# Allegro board 038RT-9068CJK8E-A100_0921.brd (continued)
## Routing (per net, layer and track width the routed paths; a pad name or vN(x,y) marks a point on that pad's centre or on a via; arc(x,y) is an arc through that point) (continued)
SH31_P6_HSO-: length 204
  TOP w0.14: v1(450.42,247.79) 450.34,247.86 arc(450.28,247.91) 450.2,247.92 449.45,247.92 arc(449.33,247.87) 449.28,247.75 449.28,246.05 arc(449.3,245.94) 449.37,245.84 450.88,244.33 arc(450.98,244.26) 451.1,244.24 453.98,244.24 arc(454.1,244.26) 454.2,244.33 457.2,247.32 arc(457.26,247.42) 457.29,247.54 457.29,391.45 arc(457.43,392.18) 457.85,392.81 466.63,401.58 arc(466.85,401.92) 466.93,402.31 466.93,403.36 arc(466.91,403.48) 466.84,403.57 466.82,403.59 arc(466.74,403.72) 466.71,403.86 arc(466.74,404.01) 466.82,404.13 466.84,404.15 arc(466.91,404.25) 466.93,404.36 466.93,404.48 arc(466.91,404.6) 466.84,404.69 466.82,404.71 arc(466.74,404.84) 466.71,404.98 466.71,404.98 arc(466.74,405.13) 466.82,405.25 466.84,405.27 arc(466.91,405.37) 466.93,405.48 466.93,405.57 arc(466.9,405.71) 466.82,405.83 466.8,405.85 arc(466.72,405.98) 466.69,406.12 arc(466.72,406.27) 466.8,406.39 466.82,406.41 arc(466.9,406.53) 466.93,406.67 466.93,406.7 arc(466.9,406.83) 466.82,406.95 466.8,406.97 arc(466.72,407.1) 466.69,407.24 arc(466.72,407.39) 466.8,407.51 466.82,407.53 arc(466.9,407.65) 466.93,407.79 466.93,407.82 arc(466.9,407.95) 466.82,408.07 466.8,408.09 arc(466.72,408.22) 466.69,408.36 arc(466.72,408.51) 466.8,408.63 466.82,408.65 arc(466.9,408.77) 466.93,408.91 466.93,408.94 arc(466.9,409.07) 466.82,409.19 466.8,409.21 arc(466.72,409.33) 466.69,409.47 466.69,409.49 arc(466.72,409.63) 466.8,409.75 466.82,409.77 arc(466.9,409.89) 466.93,410.03 466.93,410.05 arc(466.9,410.19) 466.82,410.31 466.8,410.33 arc(466.72,410.45) 466.69,410.59 466.69,410.61 arc(466.72,410.75) 466.8,410.87 466.82,410.89 arc(466.9,411.01) 466.93,411.15 466.93,411.17 arc(466.9,411.31) 466.82,411.43 466.8,411.45 arc(466.72,411.57) 466.69,411.71 466.69,411.73 arc(466.72,411.87) 466.8,411.99 466.82,412.01 arc(466.9,412.13) 466.93,412.27 466.93,412.29 arc(466.9,412.43) 466.82,412.55 466.8,412.57 arc(466.72,412.69) 466.69,412.83 466.69,412.85 arc(466.72,412.99) 466.8,413.11 466.82,413.13 arc(466.9,413.25) 466.93,413.39 466.93,413.41 arc(466.9,413.55) 466.82,413.67 466.8,413.69 arc(466.72,413.81) 466.69,413.95 466.69,413.97 arc(466.72,414.11) 466.8,414.23 466.82,414.25 arc(466.9,414.37) 466.93,414.51 466.93,414.53 arc(466.9,414.67) 466.82,414.79 466.8,414.81 arc(466.72,414.93) 466.69,415.07 466.69,415.09 arc(466.72,415.23) 466.8,415.35 466.82,415.37 arc(466.9,415.49) 466.93,415.63 466.93,415.65 arc(466.9,415.79) 466.82,415.91 466.8,415.93 arc(466.72,416.05) 466.69,416.19 466.69,416.21 arc(466.72,416.35) 466.8,416.47 466.82,416.49 arc(466.9,416.61) 466.93,416.74 466.93,416.77 arc(466.9,416.91) 466.82,417.03 466.8,417.05 arc(466.72,417.17) 466.69,417.3 466.69,417.33 arc(466.72,417.47) 466.8,417.59 466.82,417.61 arc(466.9,417.73) 466.93,417.86 466.93,417.89 arc(466.9,418.03) 466.82,418.15 466.8,418.17 arc(466.72,418.29) 466.69,418.42 466.69,418.45 arc(466.72,418.59) 466.8,418.71 466.82,418.73 arc(466.9,418.85) 466.93,418.99 466.93,424.09 arc(466.98,424.36) 467.13,424.59 468.08,425.54 arc(468.15,425.64) 468.17,425.76 468.17,427.19 arc(468.16,427.27) 468.11,427.33 468.09,427.35 arc(468.03,427.4) 467.95,427.41 UNK3CH167.1
  BOTTOM w0.14: UNK3K213.36 447.51,250.17 448.41,250.17 449.22,249.37 449.22,248.49 449.78,247.92 450.28,247.92 v1(450.42,247.79)
SH31_P6_ISOLATEB: length 71.6
  L11_SIGNAL w0.105: UNK3K220.2 427.95,420.98 427.95,417.8 429.2,416.56 466.38,416.56 467.32,417.5 467.32,424.61 470.42,427.71 477.23,427.71 v2(477.82,428.29)
  BOTTOM w0.115: UNK3K220.2 427.85,423.65 427.85,426.76 426.68,427.93 UNK3RS104.2
SH31_P6_LANWAKEB: length 15.5
  L11_SIGNAL w0.105: UNK3K212.2 480.71,430.23 477.16,430.23 v2(476.55,430.83)
SH31_P6_PCIE_RESETB: length 71.3
  TOP w0.115: UNK3HOST1.14 469.16,437.84 469.88,437.12 475.72,437.12 v2(480.74,432.1)
  L11_SIGNAL w0.102: 469.94,431.44 462.01,431.44 461.02,430.45
  L11_SIGNAL w0.105: 461.02,430.45 460.46,429.89 455.59,429.89 454.8,429.11 439.52,429.11 437.99,427.57 437.99,422.47 436.84,421.32 433.82,421.32 UNK3K221.2 ; v2(480.74,432.1) 480,432.84 477.96,432.84 476.57,431.44 469.94,431.44
SH31_P6_REFCLK_100M+: length 206.7
  TOP w0.105: UNK3HOST1.61 464.44,430.65 463.19,429.41 463.19,427.5 v2(463.05,427.36)
  L03_SIGNAL w0.136: v1(472.63,245.79) 472.57,245.85 arc(472.52,245.88) 472.47,245.89 470.56,245.89 arc(470.47,245.87) 470.39,245.82 470.22,245.65 arc(470,245.5) 469.74,245.45 463.72,245.45 arc(462.74,245.64) 461.92,246.19 457.93,250.19 arc(457.42,250.95) 457.24,251.85 457.24,406.14 arc(457.41,406.98) 457.89,407.7 460.86,410.68 arc(461.1,411.03) 461.19,411.46 461.19,419.95 arc(461.31,420.56) 461.65,421.07 462.53,421.94 arc(463.02,422.68) 463.19,423.54 463.19,427.01 arc(463.15,427.2) v2(463.05,427.36)
  BOTTOM w0.105: v1(472.63,245.79) 472.53,245.88 471.36,245.88 470.38,246.87 470.38,247.25 470.38,247.25 470.38,248.95 470.2,249.13 469.69,249.13 UNK3K214.38
SH31_P6_REFCLK_100M-: length 206.7
  TOP w0.105: UNK3HOST1.62 464.84,430.4 463.66,429.21 463.66,427.5 v2(463.81,427.36)
  L03_SIGNAL w0.136: v1(472.63,246.45) 472.57,246.39 arc(472.52,246.35) 472.47,246.34 470.56,246.34 arc(470.29,246.29) 470.07,246.14 469.9,245.97 arc(469.83,245.92) 469.74,245.9 463.72,245.9 arc(462.92,246.06) 462.24,246.51 458.25,250.51 arc(457.84,251.12) 457.69,251.85 457.69,406.14 arc(457.83,406.81) 458.21,407.38 461.18,410.36 arc(461.52,410.86) 461.64,411.46 461.64,413.4 arc(461.65,413.46) 461.69,413.52 461.77,413.6 arc(461.89,413.88) 461.77,414.16 461.69,414.25 arc(461.65,414.3) 461.64,414.36 461.64,414.46 arc(461.66,414.55) 461.71,414.63 461.77,414.69 arc(461.89,414.97) 461.77,415.24 461.74,415.28 arc(461.67,415.39) 461.64,415.52 461.64,415.61 arc(461.65,415.66) 461.68,415.71 461.76,415.78 arc(461.84,415.91) 461.87,416.06 461.87,416.09 arc(461.85,416.22) 461.77,416.33 461.74,416.37 arc(461.67,416.48) 461.64,416.61 461.64,416.63 arc(461.66,416.74) 461.72,416.84 461.77,416.89 arc(461.88,417.15) 461.77,417.42 461.74,417.45 arc(461.67,417.56) 461.64,417.69 461.64,417.72 arc(461.66,417.81) 461.71,417.88 461.77,417.95 arc(461.89,418.23) 461.77,418.51 461.75,418.53 arc(461.67,418.65) 461.64,418.79 461.64,419.95 arc(461.73,420.38) 461.97,420.75 462.85,421.62 arc(463.43,422.5) 463.64,423.54 463.64,426.95 arc(463.68,427.17) v2(463.81,427.36)
  BOTTOM w0.105: UNK3K214.37 469.69,249.6 470.39,249.6 470.85,249.14 470.85,247.06 471.56,246.35 472.53,246.35 v1(472.63,246.45)
SH31_RSET: length 1.3
  TOP w0.115: UNK3HOST1.51 459.41,432.64 v2(458.76,431.99)
SH31_RST_INPIN: length 9.1
  TOP w0.115: v2(472.45,426.84) 470.96,428.33 470.96,431.98 469.49,433.44 UNK3HOST1.3
SH31_SJTCLK: length 48.6
  L05_SIGNAL w0.105: v2(472.74,428.29) 472.74,427.87 473.48,427.13 483.06,427.13 491.67,435.75 491.67,451.57 495.48,455.38 v2(495.48,459.53)
SH31_SJTDI: length 48.5
  L05_SIGNAL w0.105: v2(492.94,459.53) 489.13,455.72 489.13,434.16 482.72,427.75 473.74,427.75 473.4,428.08 473.4,430.17 v2(472.74,430.83)
SH31_SJTDO/LED0: length 38.3
  L05_SIGNAL w0.105: v2(487.86,458.39) 486.01,456.54 486.01,433.07 483.1,430.16 475.95,430.16 v2(475.28,430.83)
SH31_SJTMS: length 41.7
  L05_SIGNAL w0.105: v2(475.28,428.29) 475.92,428.93 483.01,428.93 487.21,433.13 487.21,456.34 v2(490.4,459.53)
SH31_SPICK: length 54.5
  TOP w0.115: v2(466.52,449.12) 467.86,447.78 467.86,442.59 466.84,441.58 UNK3HOST1.19 ; UNK3SPIH11.6 v2(494.22,450.31)
  L03_SIGNAL w0.145: v2(494.22,450.31) 494.21,450.32 492.72,450.32 492.38,450.67 492.38,451.45 492.81,451.88 494.97,451.88 495.31,452.22 495.31,452.76 495,453.07 490.11,453.07 487.15,456.03 470.63,456.03 466.52,451.91 v2(466.52,449.12)
SH31_SPICK_DBG: length 12.4
  BOTTOM w0.115: UNK3RH1192.2 459.92,457.44 460.56,456.81 463.1,456.81 466.52,453.39 UNK3RH119.1
SH31_SPICS: length 54.5
  TOP w0.115: UNK3SPIH11.1 491.67,428.69 v2(491.94,428.41) ; UNK3HOST1.24 464.84,442.62 465.32,443.1 465.32,447.78 v2(463.98,449.12)
  L03_SIGNAL w0.145: v2(491.94,428.41) 481.88,438.47 476.58,438.47 469.47,445.58 468.49,445.58 467.71,446.36 466.74,446.36 v2(463.98,449.12)
SH31_SPICS_DBG: length 14.3
  BOTTOM w0.115: UNK3RH1241.1 463.98,453.39 461.83,455.54 457.7,455.54 UNK3RH1243.2
SH31_SPIO2: length 54.5
  TOP w0.115: UNK3SPIH11.3 494.21,428.42 v2(494.21,428.41) ; v2(466.52,445.31) 467.22,444.6 467.22,442.72 466.04,441.54 UNK3HOST1.21
  L03_SIGNAL w0.145: v2(466.52,445.31) 467.47,444.36 467.47,442.64 467.07,442.24 467.07,439.74 468.57,438.24 468.57,436.94 471.23,434.28 484.13,434.28 487.08,431.33 487.08,429.9 489.62,427.36 493.16,427.36 v2(494.21,428.41)
SH31_SPIO3: length 54.5
  TOP w0.115: UNK3SPIH11.7 492.95,455.08 v2(492.94,455.08) ; UNK3HOST1.22 465.64,441.9 466.52,442.77 v2(466.52,444.04)
  L03_SIGNAL w0.145: v2(466.52,444.04) 463.35,447.21 463.35,450.43 469.97,457.06 487.6,457.06 490.7,453.96 492.4,453.96 492.94,454.5 v2(492.94,455.08)
SH31_SPISI: length 54.5
  TOP w0.115: UNK3SPIH11.5 v2(495.49,450.31) ; UNK3HOST1.18 467.24,441.21 468.49,442.47 468.49,448.41 v2(467.79,449.12)
  L03_SIGNAL w0.145: v2(467.79,449.12) 467.79,450.98 471.69,454.88 486.11,454.88 490.36,450.63 490.36,446.73 491.31,445.78 494.77,445.78 495.48,446.48 495.48,450.3 v2(495.49,450.31)
SH31_SPISI_DBG: length 10.5
  BOTTOM w0.115: UNK3RH118.1 467.79,453.39 462.78,458.39 UNK3RH1182.2
SH31_SPISO: length 54.5
  TOP w0.115: UNK3HOST1.23 465.24,442.26 465.89,442.91 465.89,448.48 v2(465.25,449.12) ; UNK3SPIH11.2 492.94,433.12 v2(492.95,433.11)
  L03_SIGNAL w0.145: v2(492.95,433.11) 491.16,433.11 490.45,433.82 490.45,435.65 493.11,438.3 493.11,439.78 492.09,440.79 477.87,440.79 470.96,447.7 466.66,447.7 v2(465.25,449.12)
SH31_SPISO_DBG: length 13.1
  BOTTOM w0.115: UNK3RH1232.2 459.6,456.17 462.46,456.17 465.25,453.39 UNK3RH123.1
SH31_SWR_5TO1_OUT: length 2.7
  TOP w0.3: v2(470.96,438.71) 470.9,438.64 UNK3HOST1.16
  vias: v2(470.96,439.98) v2(472.23,439.98) v2(472.23,438.71)
SH31_TESTENPIN: length 9.8
  TOP w0.115: UNK3HOST1.7 469.74,435.04 470.77,434.01 471.79,434.01 473.69,432.1 v2(474.01,432.1)
  BOTTOM w0.115: UNK3RH172.2 473.87,431.97 473.37,431.47 473.37,430.41 UNK3RH171.2
SH31_USB_AVDD10: length 33.5
  TOP w0.292: 459.07,438.64 UNK3HOST1.36
  TOP w0.3: v2(458.76,436.69) 459.11,437.04 UNK3HOST1.40 ; UNK3HOST1.50 458.98,433.04 v2(458.76,433.26)
  TOP w0.381: 458.8,438.64 459.07,438.64
  TOP w0.508: 458.8,438.64 457.48,438.64 456.98,438.15 456.98,437.38 456.47,436.87 v2(456.12,436.87) 455.98,436.74 453.96,436.74 443.89,446.81 443.89,453.66 442.14,455.41 SH31_USB_AVDD10.1
SH31_XTAL_IN: length 6.4
  TOP w0.115: v2(458.07,428.68) 459.47,430.07 460.42,430.07 461.24,430.9 UNK3HOST1.53
  BOTTOM w0.115: v2(458.07,428.68) 458.07,427.88 UNK3YH11.3
SH31_XTAL_OUT: length 9.4
  TOP w0.115: UNK3HOST1.54 461.64,430.53 460.55,429.44 459.87,429.44 v2(459.1,428.68)
  BOTTOM w0.115: UNK3YH11.1 459.84,425.99 460.87,427.02 460.87,427.53 460.37,428.04 459.48,428.04 459.1,428.41 v2(459.1,428.68)
SH32_C_HSO+: length 4.1
  TOP w0.14: 406.55,428.55 406.55,429.73 405.23,431.06 405.23,431.62 UNK3HOST2.68
  TOP w0.15: 406.55,428.55 406.69,428.41 UNK3CH268.2
SH32_C_HSO-: length 4.1
  TOP w0.14: 406.16,428.55 406.16,429.57 404.84,430.89 404.84,431.62 UNK3HOST2.67
  TOP w0.15: 406.16,428.55 406.02,428.41 UNK3CH267.2
SH32_C_P7_HSI+: length 5.2
  BOTTOM w0.14: UNK3CS114.1 452.2,253.78 452.06,253.92 449.09,253.92 448.84,253.67 447.51,253.67 UNK3K213.29
SH32_C_P7_HSI-: length 5.2
  BOTTOM w0.14: UNK3K213.28 447.51,254.06 448.68,254.06 448.93,254.31 452.06,254.31 452.2,254.45 UNK3CS113.1
SH32_CC1: length 7.2
  TOP w0.115: v2(395.78,444.06) 395.78,443.37 397.47,441.68 399.56,441.68 400.43,440.81 UNK3HOST2.30
SH32_CC2: length 7.3
  TOP w0.115: v2(394.51,444.06) 394.51,443.88 397.24,441.15 399.33,441.15 399.63,440.85 UNK3HOST2.32
SH32_D_GPIO_VBUS: length 13.9
  TOP w0.115: v2(397.65,449.12) 398.29,449.12 400.94,446.48 400.94,443.18 401.23,442.88 UNK3HOST2.28
  L40_SIGNAL w0.105: v2(397.65,449.12) 397.08,449.69 397.08,451.09 v2(397.65,451.66)
SH32_D_SJTCLK: length 7.6
  TOP w0.115: v2(410.73,429.56) 410.22,429.56 409.59,430.2 409.59,432.3 408.89,432.99 408.51,432.99 407.26,434.24 UNK3HOST2.5
SH32_D_SJTDI: length 5.5
  TOP w0.115: v2(410.73,432.1) 409.33,433.5 408.63,433.5 407.49,434.64 UNK3HOST2.6
SH32_D_SJTDO: length 8.8
  TOP w0.115: v2(413.27,432.1) 413.27,432.42 410.67,435.03 409.01,435.03 408.25,435.79 406.92,435.79 406.86,435.84 UNK3HOST2.9
SH32_D_SJTMS: length 10.6
  TOP w0.115: UNK3HOST2.8 407.96,435.44 408.89,434.52 410.31,434.52 412.57,432.25 412.57,430.26 v2(413.27,429.56)
SH32_DEV_SLP: length 15.4
  BOTTOM w0.115: UNK3RH2262.2 399.93,451.02 399.93,453.83 398.87,454.9 393.79,454.9 UNK3RH2263.2
SH32_DIS_DB: length 1.3
  TOP w0.115: UNK3HOST2.29 400.83,439.29 v2(401.18,438.95)
SH32_GPIO8: length 35
  L05_SIGNAL w0.105: v2(427.12,458.39) 423.31,454.58 423.31,433.62 421.25,431.56 416.53,431.56 v2(415.81,430.83)
SH32_GPIO_VBUS: length 18.8
  L05_SIGNAL w0.105: v2(413.15,458.39) 405.15,450.39 v2(397.65,450.39)
SH32_ISOLATEBPIN: length 14
  TOP w0.115: v2(415.81,429.56) 415.14,430.24 415.14,432.46 411.55,436.04 409.27,436.04 408.82,436.49 407.49,436.49 406.93,437.04 UNK3HOST2.12
SH32_L_SWR_5TO1_OUT: length 29.1
  TOP w0.203: UNK3HOST2.2 407.18,433.04 408.04,432.18 408.04,431.21 407.67,430.83 v2(407.41,430.83)
  TOP w0.3: UNK3HOST2.63 403.23,430.07 v2(402.98,429.82) ; UNK3HOST2.11 v2(405.14,436.64) ; v2(401.46,430.58) 401.71,430.58 402.03,430.9 UNK3HOST2.60 ; UNK3HOST2.55 400.03,430.86 v2(400.31,430.58) ; UNK3HOST2.25 v2(402.43,438.95) ; v2(396.75,439.49) 397.1,439.49 397.55,439.04 UNK3HOST2.35
  TOP w0.508: SH32_L_SWR_5TO1_OUT.1 425.5,439.49 420.68,434.68 418.44,434.68 v2(417.44,435.67)
  BOTTOM w0.292: UNK3CH2352.1 v2(396.75,439.49)
  BOTTOM w0.508: v2(400.31,430.58) 400.45,430.44 UNK3CH2552.1 ; v2(401.46,430.58) 401.69,430.34 UNK3CH2602.1
  vias: v2(382.9,430.68) v2(384.17,430.68) v2(385.44,430.68) v2(393.51,441.63) v2(402.36,421.69) v2(402.36,420.93) v2(407.93,448.68) v2(417.44,436.43)
SH32_LANWAKEB: length 13.9
  TOP w0.115: v2(414.54,432.1) 414.03,432.61 414.03,432.61 411.11,435.53 409.14,435.53 408.51,436.17 407.06,436.17 406.98,436.24 UNK3HOST2.10
  BOTTOM w0.115: 415.67,431.97 UNK3RH2101.2 ; 415.67,431.97 415.17,431.47 415.17,430.41 UNK3RH2103.2 ; 415.67,431.97 UNK3RH2102.2
SH32_LDO_5TO3_OUT: length 21.8
  TOP w0.203: UNK3HOST2.1 406.74,432.64 v2(407.41,431.98)
  TOP w0.3: UNK3HOST2.39 397.05,437.44 396.75,437.74 v2(396.75,437.84) ; v2(398.89,438.95) 398.83,439.01 UNK3HOST2.34 ; UNK3HOST2.52 v2(398.83,432.74) ; UNK3HOST2.20 v2(404.43,438.95) ; UNK3HOST2.4 v2(405.14,433.84)
  TOP w0.508: SH32_LDO_5TO3_OUT.1 413.15,455.22 410.25,452.32 410.25,445.81 409.89,445.45 408.94,445.45 v2(407.93,446.46)
  BOTTOM w0.508: UNK3CH252.1 v2(398.83,432.74)
  vias: v2(393.51,439.6) v2(397.42,444.06) v2(397.65,452.93) v2(399.17,452.93) v2(400.7,452.93) v2(406.8,422.83) v2(410.44,425.41) v2(412,428.29) v2(414.54,428.29) v2(417.21,430.83) v2(418.73,430.83) v2(420.13,432.1) v2(420.89,432.1)
SH32_LED1: length 16.4
  BOTTOM w0.115: UNK3RH2272.2 398.41,451.02 398.41,453.77 397.91,454.27 391.88,454.27 UNK3RH2273.2
SH32_P7_CLKREQB: length 102.6
  TOP w0.115: UNK3HOST2.13 407.04,437.44 407.68,436.8 409.08,436.8 409.33,436.55 412.76,436.55 v2(417.21,432.1)
  L11_SIGNAL w0.102: 468.22,433.4 467.39,432.57 462.29,432.57 461.06,433.8 458.51,433.8
  L11_SIGNAL w0.105: UNK3K211.7 496.55,423.79 496.55,425.94 495.38,427.12 490.57,427.12 484.28,433.4 468.22,433.4 ; v2(417.21,432.1) 418.12,433.02 423.89,433.02 425,434.14 434.91,434.14 436.42,432.63 454.11,432.63 455.28,433.8 458.51,433.8
SH32_P7_HSI+: length 201.2
  TOP w0.14: v1(453.2,253.53) 452.99,253.74 arc(452.79,253.87) 452.55,253.92 451.78,253.92 451.5,254.2 448.73,254.2 arc(448.46,254.25) 448.23,254.4 447.68,254.96 447.35,255.28 arc(447.2,255.51) 447.15,255.77 447.15,258.16 arc(447.2,258.43) 447.35,258.66 447.55,258.85 arc(447.62,258.96) 447.64,259.07 447.64,307.29 arc(447.62,307.41) 447.55,307.51 429.53,325.53 arc(429.38,325.75) 429.33,326.02 429.33,391.51 arc(429.3,391.63) 429.24,391.73 405.3,415.67 arc(405.14,415.9) 405.09,416.17 405.09,423.26 arc(405.07,423.38) 405,423.48 403.84,424.64 arc(403.69,424.87) 403.64,425.14 403.64,431.62 UNK3HOST2.64
SH32_P7_HSI-: length 201.2
  TOP w0.14: UNK3HOST2.65 404.03,431.62 404.03,425.14 arc(404.05,425.02) 404.12,424.92 405.28,423.76 arc(405.43,423.53) 405.48,423.26 405.48,416.17 arc(405.5,416.05) 405.57,415.95 406.7,414.83 arc(406.79,414.76) 406.91,414.74 406.93,414.74 arc(407.08,414.71) 407.2,414.63 407.2,414.63 arc(407.29,414.5) 407.32,414.36 407.32,414.33 arc(407.34,414.21) 407.4,414.12 407.49,414.03 arc(407.58,413.97) 407.7,413.95 407.73,413.95 arc(407.87,413.92) 408,413.84 408,413.83 arc(408.08,413.71) 408.11,413.56 408.11,413.54 arc(408.13,413.42) 408.2,413.33 408.28,413.24 arc(408.38,413.18) 408.49,413.15 408.52,413.15 arc(408.66,413.13) 408.79,413.04 408.79,413.04 arc(408.87,412.92) 408.9,412.77 408.9,412.74 arc(408.92,412.63) 408.99,412.53 409.07,412.45 arc(409.17,412.39) 409.28,412.36 409.31,412.36 arc(409.46,412.33) 409.58,412.25 409.58,412.25 arc(409.66,412.13) 409.69,411.98 409.69,411.95 arc(409.72,411.84) 409.78,411.74 409.86,411.66 arc(409.96,411.59) 410.07,411.57 410.1,411.57 arc(410.24,411.54) 410.36,411.46 410.38,411.45 arc(410.46,411.33) 410.48,411.19 410.48,411.16 arc(410.51,411.05) 410.57,410.95 429.51,392.01 arc(429.66,391.78) 429.72,391.51 429.72,326.02 arc(429.74,325.9) 429.81,325.8 447.83,307.78 arc(447.98,307.55) 448.03,307.29 448.03,259.07 arc(447.98,258.81) 447.83,258.58 447.63,258.38 arc(447.56,258.28) 447.54,258.16 447.54,255.77 arc(447.56,255.65) 447.63,255.55 447.95,255.23 448.51,254.68 arc(448.61,254.61) 448.73,254.59 451.66,254.59 451.94,254.31 452.54,254.31 arc(452.79,254.36) 452.99,254.5 v1(453.2,254.7)
SH32_P7_HSO+: length 194.3
  TOP w0.14: v1(450.42,256.45) 450.34,256.37 arc(450.28,256.33) 450.2,256.31 449.73,256.31 arc(449.55,256.39) 449.47,256.57 449.47,257.39 arc(449.49,257.46) 449.53,257.53 449.66,257.66 arc(449.78,257.85) 449.83,258.07 449.83,308.73 arc(449.78,309) 449.62,309.22 431.72,327.13 arc(431.65,327.23) 431.63,327.35 431.63,394.97 arc(431.46,395.81) 430.99,396.53 415.39,412.12 arc(415.33,412.22) 415.3,412.33 415.3,412.36 arc(415.27,412.51) 415.19,412.63 arc(415.07,412.71) 414.92,412.74 414.89,412.74 arc(414.78,412.77) 414.68,412.83 414.58,412.94 arc(414.51,413.04) 414.48,413.16 414.48,413.19 arc(414.45,413.33) 414.38,413.45 414.35,413.48 arc(414.25,413.54) 414.14,413.56 414.07,413.56 arc(413.96,413.58) 413.87,413.64 413.76,413.75 arc(413.7,413.85) 413.68,413.96 413.68,413.99 arc(413.65,414.14) 413.56,414.27 arc(413.46,414.34) 413.35,414.36 413.27,414.36 arc(413.16,414.38) 413.07,414.44 412.97,414.54 arc(412.91,414.64) 412.88,414.75 412.88,414.78 arc(412.86,414.93) 412.77,415.05 arc(412.65,415.13) 412.5,415.16 412.48,415.16 arc(412.36,415.18) 412.27,415.25 412.18,415.33 arc(412.12,415.43) 412.09,415.54 412.09,415.57 arc(412.07,415.72) 411.98,415.84 411.98,415.84 arc(411.86,415.92) 411.71,415.95 411.68,415.95 arc(411.57,415.98) 411.47,416.04 409.7,417.81 arc(409.63,417.91) 409.61,418.03 409.61,422.42 arc(409.52,422.86) 409.28,423.23 406.67,425.84 arc(406.58,425.97) 406.55,426.11 406.55,427.27 arc(406.59,427.37) 406.69,427.41 UNK3CH268.1
  BOTTOM w0.14: v1(450.42,256.45) 450.28,256.31 449.83,256.31 448.57,255.06 447.51,255.06 UNK3K213.26
SH32_P7_HSO-: length 194.3
  TOP w0.14: UNK3CH267.1 406.02,427.41 arc(406.12,427.37) 406.16,427.27 406.16,426.11 arc(406.22,425.82) 406.39,425.56 409,422.95 arc(409.16,422.71) 409.22,422.42 409.22,418.03 arc(409.27,417.76) 409.43,417.54 413.73,413.23 414.13,412.83 415.11,411.85 430.71,396.25 arc(431.1,395.66) 431.24,394.97 431.24,327.35 arc(431.29,327.08) 431.44,326.85 449.35,308.95 arc(449.42,308.85) 449.44,308.73 449.44,258.07 arc(449.42,258) 449.38,257.93 449.25,257.81 arc(449.13,257.61) 449.08,257.39 449.08,256.57 arc(449.27,256.11) 449.73,255.92 450.2,255.92 arc(450.28,255.91) 450.34,255.86 v1(450.42,255.79)
  BOTTOM w0.14: v1(450.42,255.79) 450.28,255.92 449.99,255.92 448.74,254.67 447.51,254.67 UNK3K213.27
SH32_P7_ISOLATEB: length 24.9
  L11_SIGNAL w0.105: UNK3K220.7 428.39,423.74 428.39,426.56 427.94,427.01 425.05,427.01 423.89,428.17 415.94,428.17 v2(415.81,428.29)
  BOTTOM w0.115: UNK3K220.7 428.46,423.67 428.46,427.28 427.81,427.93 UNK3RS114.2
SH32_P7_LANWAKEB: length 95.1
  L11_SIGNAL w0.105: v2(414.54,430.83) 415.17,430.2 415.17,427.48 415.38,427.28 418.5,427.28 420.86,424.92 420.86,416.43 421.68,415.62 488.75,415.62 490.11,416.99 490.11,420.7 UNK3K212.7
SH32_P7_PCIE_RESETB: length 39
  TOP w0.115: UNK3HOST2.14 407.15,437.84 407.87,437.12 413.71,437.12 v2(418.73,432.1)
  L11_SIGNAL w0.105: UNK3K221.7 434.43,423.9 434.43,428.8 433.6,429.63 426.41,429.63 424.47,431.57 419.26,431.57 v2(418.73,432.1)
SH32_P7_REFCLK_100M+: length 241.1
  TOP w0.105: v2(401.04,427.36) 401.18,427.5 401.18,429.41 402.43,430.65 UNK3HOST2.61
  L03_SIGNAL w0.136: v1(473.9,247.79) 473.96,247.85 arc(474.01,247.88) 474.06,247.89 475.2,247.89 arc(475.29,247.87) 475.36,247.82 475.64,247.54 arc(475.69,247.47) 475.71,247.38 475.71,245.7 arc(475.65,245.37) 475.46,245.1 474.35,243.99 arc(474.08,243.81) 473.76,243.74 460.6,243.74 arc(460.51,243.76) 460.44,243.81 455.93,248.32 arc(455.88,248.39) 455.87,248.48 455.87,286.54 arc(455.72,287.29) 455.29,287.92 430.06,313.16 arc(429.86,313.45) 429.79,313.8 429.79,387.63 arc(429.73,387.98) 429.53,388.27 405.49,412.31 arc(405.35,412.52) 405.3,412.77 405.3,416.69 arc(405.32,416.79) 405.38,416.89 405.4,416.9 arc(405.46,417) 405.49,417.1 405.49,417.23 arc(405.46,417.34) 405.4,417.43 405.38,417.45 arc(405.3,417.65) 405.38,417.84 405.4,417.86 arc(405.48,417.97) 405.5,418.1 405.5,418.15 arc(405.48,418.28) 405.4,418.39 405.38,418.41 arc(405.32,418.5) 405.3,418.61 405.3,418.73 arc(405.32,418.84) 405.38,418.93 405.4,418.95 arc(405.48,419.07) 405.51,419.21 405.51,419.21 arc(405.48,419.36) 405.4,419.48 405.38,419.49 arc(405.32,419.59) 405.3,419.69 405.3,419.82 arc(405.32,419.93) 405.38,420.02 405.4,420.04 arc(405.48,420.16) 405.51,420.3 arc(405.48,420.44) 405.4,420.56 405.38,420.58 arc(405.32,420.67) 405.3,420.78 405.3,420.91 arc(405.32,421.01) 405.38,421.11 405.4,421.12 arc(405.48,421.25) 405.51,421.39 405.51,421.39 arc(405.48,421.53) 405.4,421.65 405.38,421.67 arc(405.3,421.87) 405.38,422.06 405.4,422.08 arc(405.48,422.2) 405.51,422.35 arc(405.48,422.49) 405.4,422.61 405.38,422.63 arc(405.32,422.72) 405.3,422.83 405.3,425.23 arc(405.25,425.49) 405.1,425.71 402.64,428.18 arc(402.42,428.32) 402.16,428.37 401.82,428.37 arc(401.38,428.19) 401.19,427.74 401.19,427.61 arc(401.19,427.58) 401.19,427.56 401.18,427.54 arc(401.16,427.49) 401.12,427.44 v2(401.04,427.36)
  BOTTOM w0.105: v1(473.9,247.79) 473.8,247.88 472.75,247.88 470.5,250.13 469.69,250.13 UNK3K214.36
SH32_P7_REFCLK_100M-: length 241.1
  TOP w0.105: UNK3HOST2.62 402.83,430.4 401.65,429.21 401.65,427.5 v2(401.8,427.36)
  L03_SIGNAL w0.136: v1(473.9,248.45) 473.96,248.39 arc(474.01,248.35) 474.06,248.34 475.2,248.34 arc(475.46,248.29) 475.68,248.14 475.96,247.86 arc(476.11,247.64) 476.16,247.38 476.16,245.7 arc(476.06,245.2) 475.78,244.78 474.67,243.67 arc(474.25,243.39) 473.76,243.29 460.6,243.29 arc(460.34,243.34) 460.12,243.49 455.61,248 arc(455.47,248.22) 455.42,248.48 455.42,286.54 arc(455.3,287.11) 454.97,287.6 429.74,312.84 arc(429.45,313.28) 429.34,313.8 429.34,387.63 arc(429.31,387.8) 429.21,387.95 405.17,411.99 arc(404.93,412.34) 404.85,412.77 404.85,425.23 arc(404.83,425.32) 404.78,425.39 402.32,427.86 arc(402.24,427.91) 402.16,427.92 401.82,427.92 arc(401.7,427.87) 401.64,427.74 401.64,427.61 401.65,427.54 arc(401.68,427.49) 401.71,427.44 v2(401.8,427.36)
  BOTTOM w0.105: UNK3K214.35 469.69,250.6 470.69,250.6 472.94,248.35 473.8,248.35 v1(473.9,248.45)
SH32_RSET: length 1.3
  TOP w0.115: v2(396.75,431.99) 397.4,432.64 UNK3HOST2.51
SH32_RST_INPIN: length 9.1
  TOP w0.115: UNK3HOST2.3 407.48,433.44 408.95,431.98 408.95,428.33 v2(410.44,426.84)
SH32_SJTCLK: length 51.2
  L05_SIGNAL w0.105: v2(437.28,459.53) 437.28,452.18 433.47,448.37 433.47,437.37 426.52,430.42 425.99,430.42 422.7,427.13 411.89,427.13 v2(410.73,428.29)
SH32_SJTDI: length 50.2
  L05_SIGNAL w0.105: v2(434.74,459.53) 434.74,455.07 430.93,451.26 430.93,436.63 422.05,427.75 412.9,427.75 412.64,428.01 412.64,428.92 v2(410.73,430.83)
SH32_SJTDO/LED0: length 39.8
  L05_SIGNAL w0.105: v2(413.27,430.83) 413.94,430.16 421.03,430.16 425.07,434.21 425.07,451.42 428.35,454.69 428.35,457.08 v2(429.66,458.39)
SH32_SJTMS: length 43.1
  L05_SIGNAL w0.105: v2(432.2,459.53) 432.2,454.57 429.01,451.38 429.01,437.09 420.85,428.93 413.91,428.93 v2(413.27,428.29)
SH32_SPICK: length 54.5
  TOP w0.115: UNK3HOST2.19 404.83,441.58 405.85,442.59 405.85,447.78 v2(404.51,449.12) ; v2(432.21,450.31) UNK3SPIH21.6
  L03_SIGNAL w0.145: v2(432.21,450.31) 432.2,450.32 430.72,450.32 430.37,450.67 430.37,451.45 430.8,451.88 432.96,451.88 433.3,452.22 433.3,452.76 432.99,453.07 428.1,453.07 425.14,456.03 408.62,456.03 404.51,451.91 v2(404.51,449.12)